# Altium PCB SmartHiveClient_min_V1.0.PcbDoc
Units mil, origin at the board's own origin, x right, y up, seen from the top; angles counter-clockwise.
Board outline 2755.91 x 1968.5 mil, 2 copper layers (Top Layer, Bottom Layer); 44 components, 26 nets, 134 pads, 70 vias.
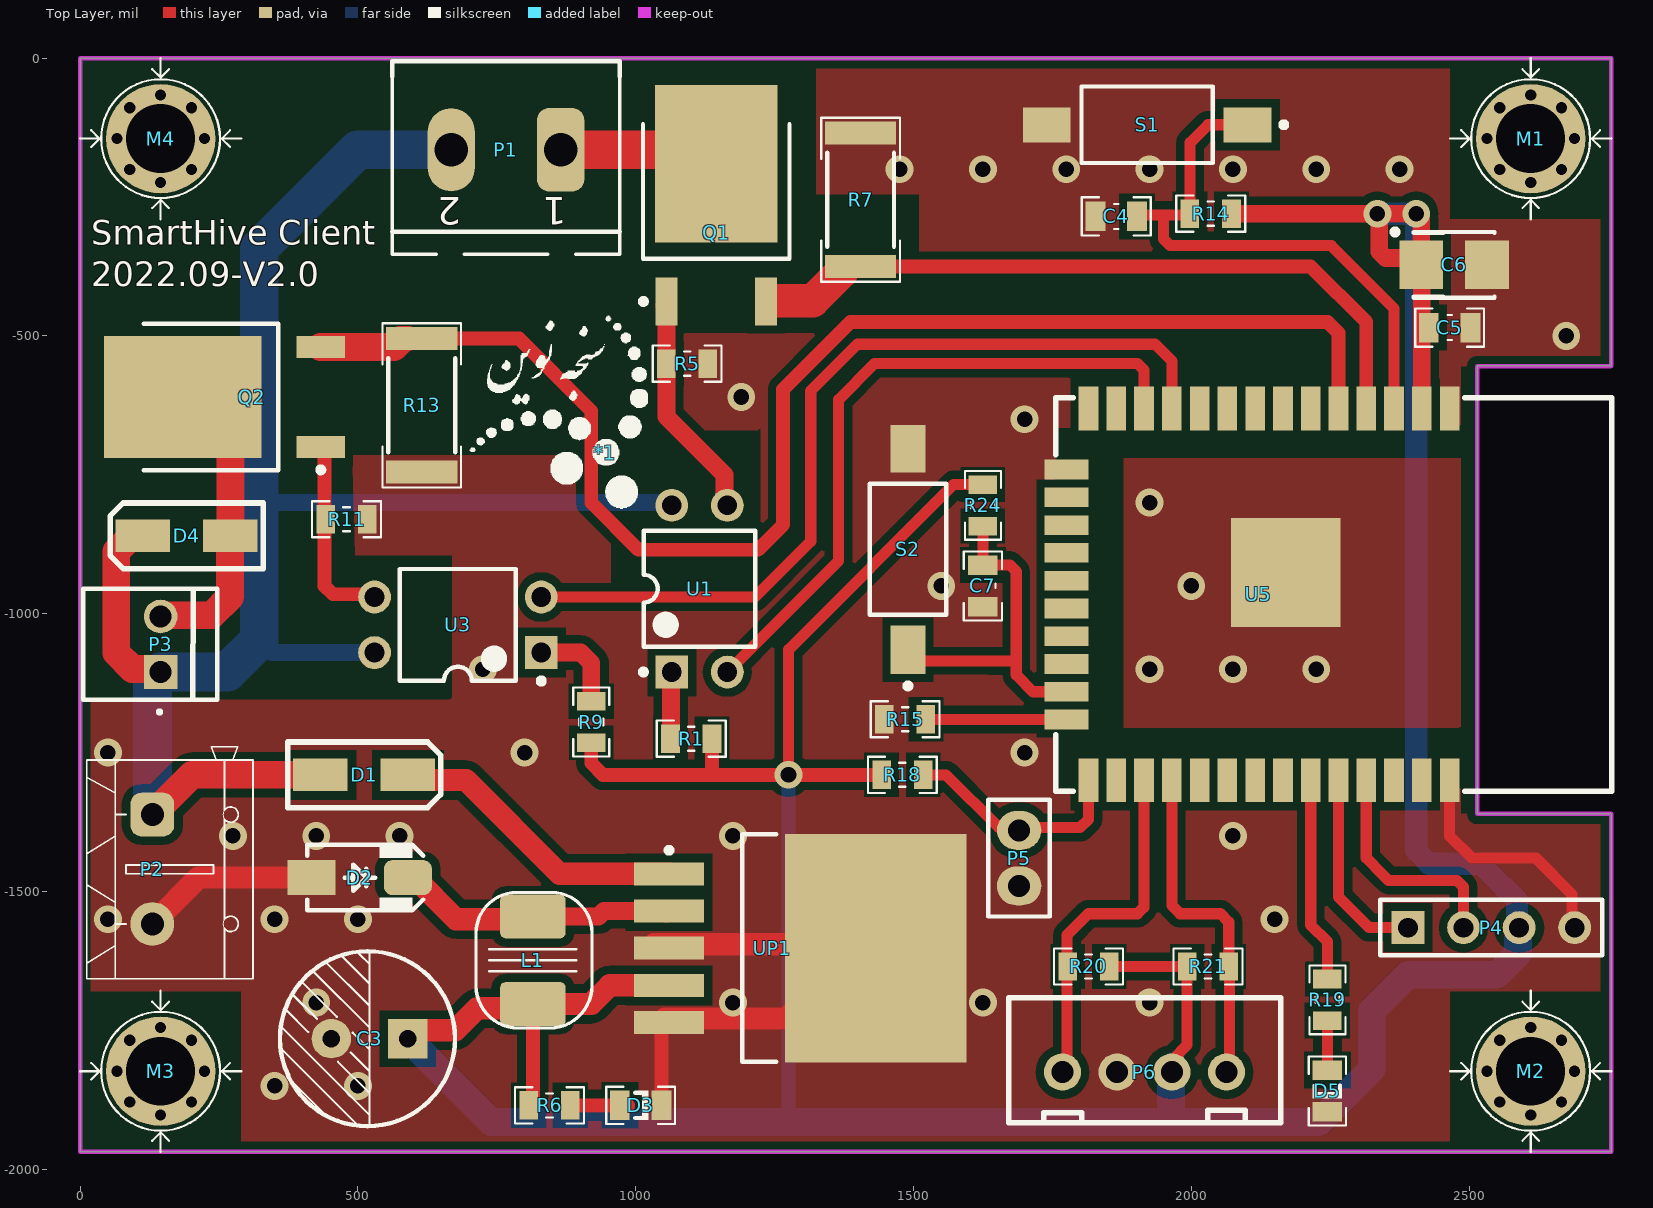
[diagram p0: Top Layer view]
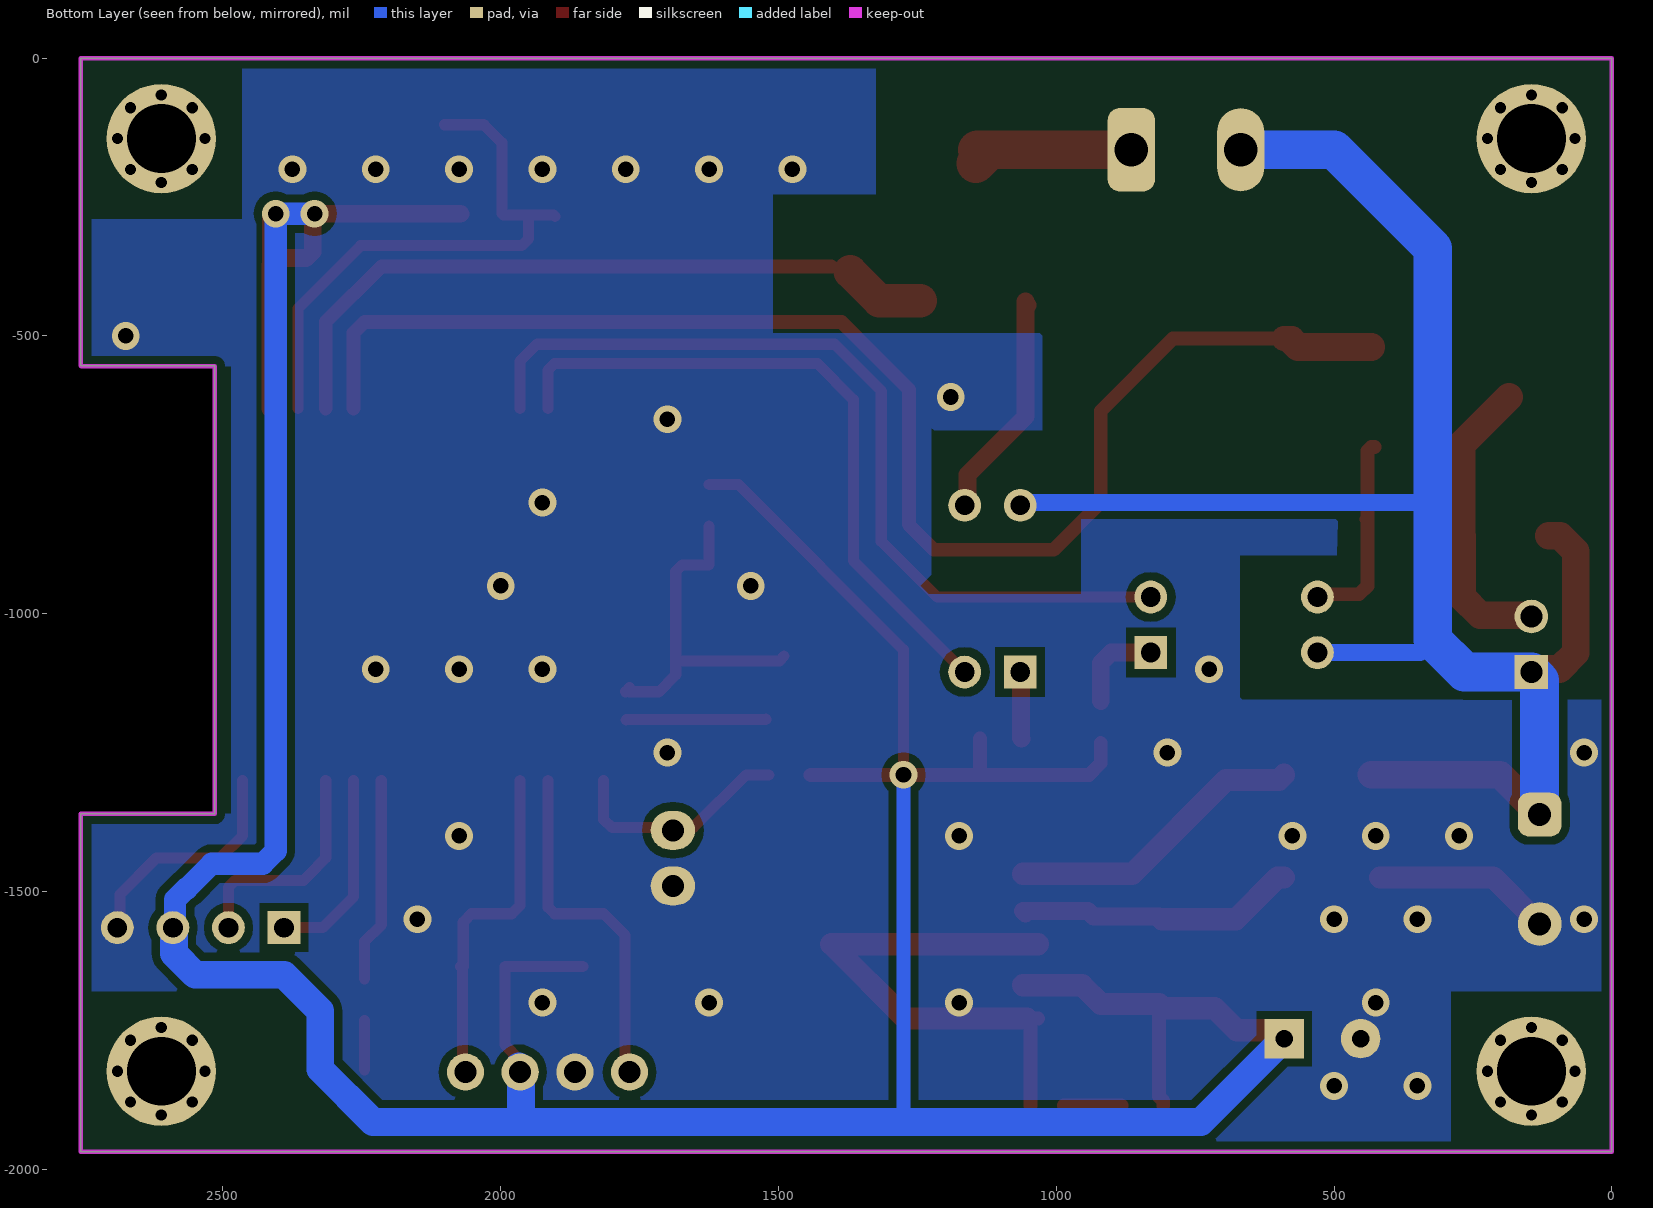
[diagram p1: Bottom Layer view, seen from below]
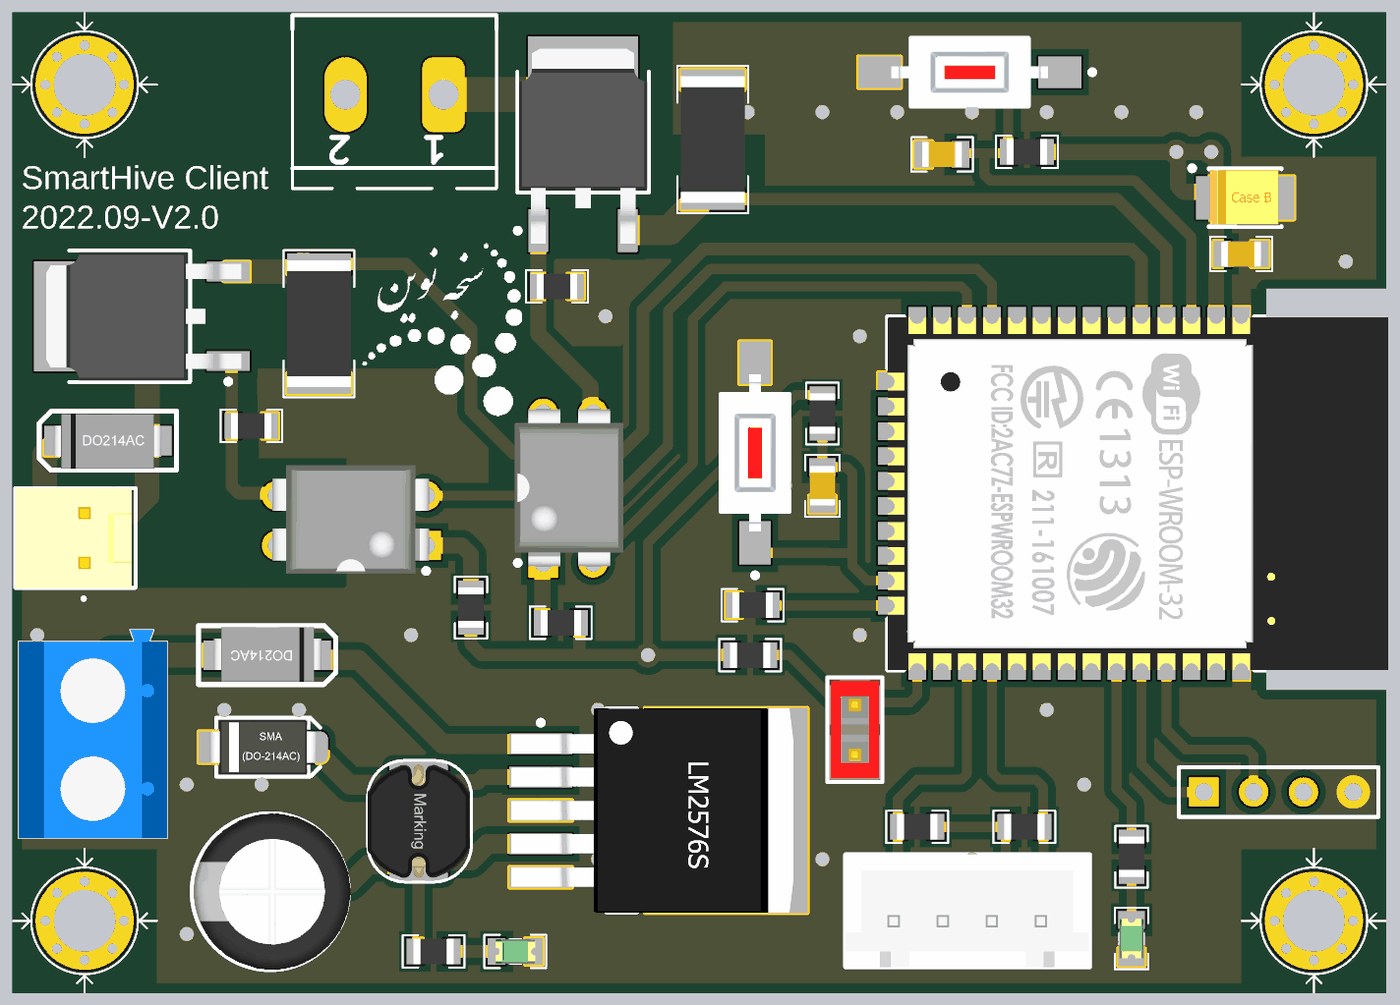
[diagram p2: 3D render of the assembled board from above, using the file's embedded part models]

## Layer stack, top to bottom
Top Solder: solder mask 0.4, Solder Resist, Dk 3.5
Top Layer: signal copper 1.4
Dielectric 1: dielectric 12.6, FR-4, Dk 4.8
Bottom Layer: signal copper 1.4
Bottom Solder: solder mask 0.4, Solder Resist, Dk 3.5

## Board outline
0,-1968.5 0,0 2755.91,0 2755.91,-554.09 2515,-554.09 2515,-1360 2755.91,-1360 2755.91,-1968.5

## Design rules (kind name [scope] priority, off if disabled: settings)
Clearance [All] p1: gap=15 ignorepadtopadclearanceinfootprint=TRUE
PolygonConnect [All] p1: connectstyle=Direct reliefconductorwidth=10 reliefentries=4 polygonreliefangle="90 Angle" airgapwidth=10
RoutingVias [All] p1: holewidth=28 width=50 viastyle="Through Hole" minholewidth=20 minwidth=20 maxholewidth=28 maxwidth=50
SolderMaskExpansion [All] p1: expansion=4 istentingtop=FALSE
Width [All] p1: maxlimit=100 minlimit=10 preferedwidth=15 minimp=50.000000 maximp=50.000000 favimp=50.000000
30 further rules are at their usual default settings.

## Components (designator, comment, footprint, x,y, rotation, side; value= is the part's Value field where it differs from the comment)
*1 "Logo" LOGO_PARS_TOP 945,-710 r0 top
C3 "16V" "Cap electrolitic radial 8x12-3.5" 521.1,-1765 r180 top value=470uF
C4 "100nF" CAP0805 1865,-285 r0 top
C5 "100nF" CAP0805 2465,-485 r180 top
C6 "Tantal/16V" CAP_TANTAL_TYPE_B 2475,-375 r180 top value=22uF
C7 "100nF" CAP0805 1625,-950 r90 top
D1 "Diode 1N4007" DO-241AC 508.02,-1289.82 r0 top
D2 "SM5822-SMD" 430X270D 503.39,-1475 r0 top
D3 "LED0" LED_0805 1010,-1885 r0 top
D4 "Diode 1N4007" DO-241AC 195,-860 r180 top
D5 "LED0" LED_0805 2245,-1860 r270 top
L1 "1.5A" "Inductor SMD 3x3.2mm" 815,-1623.74 r270 top value=220uH
M1 "Screw3mm" "Board Screw 3mm" 2610.91,-145 r0 top
M2 "Screw3mm" "Board Screw 3mm" 2610.91,-1823.5 r0 top
M3 "Screw3mm" "Board Screw 3mm" 145,-1823.5 r0 top
M4 "Screw3mm" "Board Screw 3mm" 145,-145 r0 top
P1 "Element" "MSTBV 2,5/2-G-5" 766.57,-165 r180 top
P2 "Header 2" "KF301 2PIN" 130,-1460 r270 top
P3 "FAN" DS1070-2-COMCON 145,-1055 r270 top
P4 "Header 4" HDR1X4 2390,-1565 r0 top
P5 "Header 2" "Jumper Small - 2.54 - Black" 1690,-1440 r270 top
P6 "SHT20_1" XH-4PIN 1915.79,-1825 r0 top
Q1 "IRLR024N" TO252-3M 1145,-264.8 r90 top
Q2 "IRLR024N" TO252-3M 260,-610 r180 top
R1 "220" RES0805 1100,-1225 r180 top
R5 "10K" RES0805 1092.64,-550 r180 top
R6 "220" RES0805 845,-1885 r180 top
R7 "0.1" RES2512 1405,-255 r270 top
R9 "220" RES0805 920,-1195 r90 top
R11 "10K" RES0805 479.56,-830 r180 top
R13 "0.1" RES2512 615,-625 r90 top
R14 "10K" RES0805 2035,-280 r0 top
R15 "10k" RES0805 1485,-1190 r0 top
R18 "10k" RES0805 1480,-1290 r180 top
R19 "220" RES0805 2245,-1695 r270 top
R20 "4.7K" RES0805 1815,-1635 r0 top
R21 "4.7K" RES0805 2030,-1635 r180 top
R24 "10K" RES0805 1625,-805 r90 top
S1 "SW-PB" SW-2PIN-SMD 1920,-120 r180 top
S2 "SW-PB" SW-2PIN-SMD 1490.02,-883.56 r90 top
U1 "PC817" DIP_4 1065,-1105 r90 top
U3 "PC817" DIP_4 830,-1070 r180 top
U5 "ESP32-WROOM-32" ESP32-WROOM-32D 2120.32,-965.35 r270 top
UP1 "LM2576S-3.3" TO263 1269.17,-1595 r0 top

## Footprints (in the part's own frame and the unit in brackets; to place one, negate y for a bottom-side part, rotate by r counter-clockwise, add the part's x,y. Pads: shape width x height; smd on the part's side, far side on the other; paste and mask are expansions set on the pad)
430X270D [mm] "SMA Molded Diode, 2-Leads, Body 4.3x2.7mm"
  rect 2.2x1.6 smd: 1(-2.2,0)
  rrect50% 2.2x1.6 smd: 2(2.2,0)
  silkscreen extent -2.4,-1.5 2.9,1.5, body extent -2.75,-1.4 2.75,1.4, height 2.6
"Board Screw 3mm" [mm]
  round 5 hole 3.15 mask+0.1: S(0,0)
  silkscreen extent -3.68,-3.68 3.68,3.68
CAP0805 [mm] "Chip Capacitor, 2-Leads, Body 2/00x1/25mm, IPC Medium Density DESIGNER:ABBAS BASEREH"
  rect 0.9x1.35 smd: 1(-0.95,0) 2(0.95,0)
  silkscreen extent -1.58,-0.87 1.58,0.87, body extent -1.02,-0.65 1.02,0.65, height 0.5
"Cap electrolitic radial 8x12-3.5" [mm] "Cap electrolitic radial 8x12-3.5-Design:Abbas Basereh"
  rect 1.8x1.8 hole 0.8: 1(-1.75,0)
  round 1.8 hole 0.8: 2(1.75,0)
  silkscreen extent -3.9,-4 4.1,4, body extent -4,-4 4,4, height 12.3
CAP_TANTAL_TYPE_B [mm]
  rect 2x2.2 smd: 1(1.551,-0.076) 2(-1.449,-0.076)
  silkscreen extent -1.8,-1.7 2.88,1.42, body extent -1.65,-1.5 1.85,1.3, height 1.9
DIP_4 [mm]
  rect 1.5x1.5 hole 0.9: 1(0,0)
  round 1.5 hole 0.9: 2(0,-2.54) 3(7.62,-2.54) 4(7.62,0)
  silkscreen extent -0.12,-3.82 6.46,1.42, body extent -0.16,-4.09 7.84,1.45, height 4.31
DO-241AC [mm]
  rect 2.5x1.5 smd: 1(-1.918,-0.005) 2(2.082,-0.005)
  silkscreen extent -3.42,-1.5 3.58,1.5, body extent -2.64,-1.37 2.84,1.42, height 2.39
DS1070-2-COMCON [mm]
  rect 1.54x1.54 hole 1: 1(1.27,0)
  round 1.54 hole 1: 2(-1.27,0)
  silkscreen extent -2.54,-3.53 3.13,2.59, body extent -2.54,-3.5 2.54,2.4, height 11.4
ESP32-WROOM-32D [mm]
  rect 2x0.9 smd: 1(-8.5,8.755) 2(-8.5,7.485) 3(-8.5,6.215) 4(-8.5,4.945) 5(-8.5,3.675) 6(-8.5,2.405) 7(-8.5,1.135) 8(-8.5,-0.135) 9(-8.5,-1.405) 10(-8.5,-2.675) 11(-8.5,-3.945) 12(-8.5,-5.215) 13(-8.5,-6.485) 14(-8.5,-7.755) 25(8.5,-7.755) 26(8.5,-6.485) 27(8.5,-5.215) 28(8.5,-3.945) 29(8.5,-2.675) 30(8.5,-1.405) 31(8.5,-0.135) 32(8.5,1.135) 33(8.5,2.405) 34(8.5,3.675) 35(8.5,4.945) 36(8.5,6.215) 37(8.5,7.485) 38(8.5,8.755)
  rect 0.9x2 smd: 15(-5.71,-8.755) 16(-4.44,-8.755) 17(-3.17,-8.755) 18(-1.9,-8.755) 19(-0.63,-8.755) 20(0.64,-8.755) 21(1.91,-8.755) 22(3.18,-8.755) 23(4.45,-8.755) 24(5.72,-8.755)
  rect 5x5 smd: 39(-1,1.255)
  silkscreen extent -9,-9.25 9,16.17, body extent -8.99,-9.25 9.01,16.25, height 2.91
HDR1X4 [mm] "Connector; Header; 4 Position"
  rect 1.5x1.5 hole 0.9: 1(0,0)
  round 1.5 hole 0.9: 2(2.54,0) 3(5.08,0) 4(7.62,0)
  silkscreen extent -1.27,-1.27 8.89,1.27
"Inductor SMD 3x3.2mm" [mm] "Inductor 4.7µH SMD 3x3.2mm"
  round 0.508 on Mech15: 0(0,0)
  rrect25% 2x3 smd: 1(-2,0) 2(2,0)
  silkscreen extent -3.1,-2.6 3.1,2.7, body extent -2.9,-2.6 2.89,2.6, height 4.5
"Jumper Small - 2.54 - Black" [mil] "Designer Abbas Basereh"
  oval 70x80 hole 40: 1(-50,0) 2(50,0)
  silkscreen extent -105,-55 105,55, body extent -100,-50 100,50, height 337
"KF301 2PIN" [mm] "Designer Abbas Basereh"
  rrect50% 2x2 hole 1.05: 1(-2.5,0)
  round 2 hole 1.05: 2(2.5,0)
  silkscreen extent -5.6,-3 5,4.6, body extent -5.6,-3 5,4.6, height 10
LED_0805 [mm]
  rect 0.9x1.35 smd: 1(-0.975,0) 2(0.925,0)
  silkscreen extent -1.6,-0.85 1.55,0.85, body extent -1.04,-0.62 0.98,0.63, height 1.1
LOGO_PARS_TOP [mil]
  silkscreen extent -244,-100 77,246
"MSTBV 2,5/2-G-5" [mil] "Header, Nominal current: 12 A Rated voltage (III/2): 320 V Number of positions: 2 Pitch: 5mm Color: green Contact surface: Tin Assembly: Soldering DESIGNER:ABBAS BASEREH"
  rrect50% 85x150 hole 60: 1(-98.43,0)
  oval 85x150 hole 60: 2(98.43,0)
  silkscreen extent -205,-159 205,188, body extent -197,-152 197,187, height 473
RES0805 [mm] "Chip Resistor, 2-Leads, Body 2/00x1/25mm, IPC Medium Density DESIGNER:ABBAS BASEREH"
  rect 0.85x1.3 smd: 1(-0.95,0) 2(0.95,0)
  silkscreen extent -1.58,-0.82 1.58,0.82, body extent -1.02,-0.65 1.02,0.65, height 0.5
RES2512 [mm] "Chip Resistor, 2-Leads, Body 6/40x3/20mm, IPC Medium Density DESIGNER:ABBAS BASEREH"
  rect 1.05x3.25 smd: 1(-3.05,0) 2(3.05,0)
  silkscreen extent -3.75,-1.8 3.75,1.8, body extent -3.22,-1.63 3.22,1.63, height 0.7
SW-2PIN-SMD [mm]
  rect 2.2x1.6 smd: 1(-4.609,0)
  rect 2.18x1.6 smd: 2(4.581,0)
  silkscreen extent -6.38,-1.75 2.99,1.75, body extent -4.01,-1.8 3.99,1.8, height 2.55
TO252-3M [mm] "D-PAK, 3-Pads, Body 6.2x6.7mm (max), IPC Low Density"
  rect 2.2x1 smd: 1(-4.4,2.28) 3(-4.4,-2.28)
  rect 7.2x5.6 smd: 4(1.9,0)
  silkscreen extent -4.52,-3.35 3.7,3.45, body extent -5.06,-3.27 4.88,3.27, height 2.39
TO263 [mm]
  rect 3.2x1.05 smd: 1(-5.314,3.222) 2(-5.314,1.522) 3(-5.314,-0.178) 4(-5.314,-1.878) 5(-5.314,-3.578)
  rect 8.3x10.45 smd: 6(4.136,-0.178)
  silkscreen extent -5.44,-5.38 -0.41,5.02, body extent -6.81,-5.38 7.56,5.03, height 4.65
XH-4PIN [mm]
  round 1.7 hole 1: 1(-3.75,0) 2(-1.25,0) 3(1.25,0) 4(3.75,0)
  silkscreen extent -6.2,-2.31 6.22,3.4, body extent -6.2,-2.34 6.2,3.41, height 7

## Part data
C3 C6: library part Cap2, "Capacitor", PackageDescription="Capacitor; 2 Leads", PackageReference=CAPR5-4X5, Published=23-Sep-2002, Publisher="Altium Limited"
C4 C5 C7: library part Cap, "Capacitor", LatestRevisionDate=17-Jul-2002, LatestRevisionNote="Re-released for DXP Platform.", PackageDescription="Radial Cap, Thru-Hole; 2 Leads; 0.3 in Pin Spacing", PackageReference=RAD-0.3, Published=8-Jun-2000, Publisher="Altium Limited"
D1 D4: "1 Amp General Purpose Rectifier", Code_JEDEC=DO-204-AL, ComponentLink1Description="Manufacturer Link", ComponentLink1URL=http://www.fairchildsemi.com/, ComponentLink2Description=Datasheet, ComponentLink2URL=http://www.fairchildsemi.com/ds/1N%2F1N4001.pdf, DatasheetVersion=1998, LatestRevisionDate=17-Jul-2002, LatestRevisionNote="Re-released for DXP Platform.", PackageDescription="Diode, Axial; Body 5.2 x 2.7 mm (LxDia. max), Lead Dia. 0.86 mm (max)", PackageReference=DO-41, PackageVersion=Aug-1999, Published=8-Jun-2000, Publisher="Altium Limited"
D2: library part "D Schottky", "Schottky Diode", Code_JEDEC=DO-214-AA, LatestRevisionDate=17-Jul-2002, LatestRevisionNote="Re-released for DXP Platform.", PackageDescription="DO-214-AA/SMB; 2 C-Bend Leads; Body 5.3 x 3.6 mm, inc. leads (LxW)", PackageReference=SMB, Parameter 1=1n5822, Published=8-Jun-2000, Publisher="Altium Limited"
D3 D5: "Typical INFRARED GaAs LED", LatestRevisionDate=08-Jul-2005, LatestRevisionNote="Mech Layer 1 removed.", PackageDescription="LED; 2 Leads", PackageReference=LED-0, Published=8-Jun-2000, Publisher="Altium Limited"
L1: library part Inductor, "Inductor", Code_IEC=1005, Code_JEITA=0402, LatestRevisionDate=29-May-2009, LatestRevisionNote="IPC-7351 Footprint Added.", PackageDescription="Chip Inductor", PackageReference=0402-A, Published=8-Jun-2000, Publisher="Altium Limited"
M1 M2 M3 M4: library part "Board Screw 3mm", "Board Screw With Spacer 3mm", Data=16-12-2016, Designer="Abbas Basereh"
P1 P3: library part "Header 2", "Header, 2-Pin", LatestRevisionDate=17-Jul-2002, LatestRevisionNote="Re-released for DXP Platform.", Publisher="Altium Limited"
P2 P5: "Header, 2-Pin", LatestRevisionDate=17-Jul-2002, LatestRevisionNote="Re-released for DXP Platform.", Publisher="Altium Limited"
P4: "Header, 4-Pin", LatestRevisionDate=17-Jul-2002, LatestRevisionNote="Re-released for DXP Platform.", Publisher="Altium Limited"
P6: library part "Header 4", "Header, 4-Pin", LatestRevisionDate=17-Jul-2002, LatestRevisionNote="Re-released for DXP Platform.", Publisher="Altium Limited"
Q1 Q2: "HEXFET Power MOSFET", Code_JEDEC=TO-252-AA, ComponentLink1Description="Manufacturer Link", ComponentLink1URL=http://www.irf.com/, ComponentLink2Description=Datasheet, ComponentLink2URL=http://www.irf.com/product-info/datasheets/data/irlr024n.pdf, LatestRevisionDate=20-Nov-2009, LatestRevisionNote="IPC-7351 Footprint Added.", Note="Pin 2 is trimmed and is electrically connected to Drain.", PackageDescription="3-Pin HEXFET Package 2.28 mm Pitch, 9.9 mm Lead Span", PackageReference=TO-252AA, PackageVersion=Feb-2003, Published=8-Jun-2000, Publisher="Altium Limited"
R1 R5 R6 R9 R11 R14 R15 R18 R19 R20 R21 R24: library part Res1, "Resistor", LatestRevisionDate=17-Jul-2002, LatestRevisionNote="Re-released for DXP Platform.", PackageDescription="Axial Device, Thru-Hole; 2 Leads; 0.3 in Pin Spacing", PackageReference=AXIAL-0.3, Published=8-Jun-2000, Publisher="Altium Limited"
R7 R13: library part Res1, "Size:2512,1%", LatestRevisionDate=17-Jul-2002, LatestRevisionNote="Re-released for DXP Platform.", PackageDescription="Axial Device, Thru-Hole; 2 Leads; 0.3 in Pin Spacing", PackageReference=AXIAL-0.3, Published=8-Jun-2000, Publisher="Altium Limited"
S1 S2: "Switch", LatestRevisionDate=17-Jul-2002, LatestRevisionNote="Re-released for DXP Platform.", PackageDescription="Switch; 2 Leads", PackageReference=SPST-2, Published=24-Mar-1999, Publisher="Altium Limited"
U1 U3: library part Optoisolator1, "4-Pin Phototransistor Optocoupler", DatasheetVersion=Nov-2003, LatestRevisionDate=04-Mar-2005, LatestRevisionNote="Sch pins 3 & 4 Swapped.", PackageReference=DIP-4, Published=24-Mar-1999, Publisher="Altium Limited"
U5: "ESP32  a single chip 2.4 GHz Wi-Fi and Bluetooth combo chip"
UP1: "SIMPLE SWITCHER® 3A Step-Down Voltage Regulator, 5-pin TO-263", Manufacturer="National Semiconductor", PackageTopMarking="NSUZXYTTE#*LM2576S*-3.3 P+", PowerWise=N, Code_JEDEC=MO-169-AB, ComponentLink1Description="LM2576 Datasheet", ComponentLink1URL=http://www.national.com/ds/LM/LM2576.pdf, ComponentLink2Description="LM2576 Web Page", ComponentLink2URL=http://www.national.com/pf/LM/LM2576.html, ComponentLink3Description="TS5B Package Page", ComponentLink3URL=http://www.national.com/packaging/folders/ts5b.html, CompType=Switcher, DatasheetVersion=Aug-2004, PackageDescription="TO-263, Molded, .400 x .390 x .180in, 5 Lead, .067in Pitch, Surface Mount", PackageReference=TS5B, PackageVersion="revD, Apr-2005", PartNumber=LM2576S-3.3, PinCount=5, Published=4-Dec-2008, Publisher="Altium Limited", RoHS=N

## Via types
v1: diameter 50, hole 28, Top Layer to Bottom Layer, tented both sides, 38 vias
v2: diameter 20, hole 20, Top Layer to Bottom Layer, tented both sides, 32 vias

## Nets (pads, with @x,y where several pads share a name; then routed paths per layer and width w, separated by ;. In a path a pad name is that pad's centre, name@x,y a point inside that pad or via, vN(x,y) a via of type N, cw(c..) or ccw(c..) an arc to the next point about the centre after c; other vN are vias at no path point)
+3.3V: C3.1 C5.2 C6.1 L1.2 P4.3 P6.3 R1.1 R6.2 R9.1 R14.2 R18.2 R20.2 R21.2 R24.2 U5.2 UP1.4 | length 7711.5
  Top Layer w20: v1(1275,-1290) 1275,-1065 1572.4,-767.6 R24.2 ; R20.2 R21.2 1992.6,-1776.55 1966.85,-1802.3 P6.3@1966.85,-1815
  Top Layer w25: R6.2 807.6,-1876.14 815,-1868.74 L1.2 ; R9.1 920,-1268.7 941.3,-1290 1135,-1290 ; R1.1 1137.4,-1287.6 1135,-1290 ; R18.2 v1(1275,-1290) 1135,-1290
  Top Layer w32: UP1.4@1055.54,-1673.35 UP1.4 ; R14.2 v1(2335,-280) ; U5.2 2415,-373.06 C6.1 ; v1(2335,-280) 2338.44,-283.44 2338.44,-348.44 2350,-360 2401.94,-360 C6.1 ; v1(2335,-280) v1(2405,-280) 2413.94,-288.94 C6.1
  Top Layer w40: C3.1 605.43,-1749.57 675.43,-1749.57 715,-1710 807.48,-1710 L1.2 919.83,-1702.48 953.38,-1668.93 UP1.4
  Bottom Layer w25: v1(1275,-1290) 1275,-1910 1280,-1915
  Bottom Layer w40: v1(2335,-280) v1(2405,-280) 2405,-1426.57 2428.43,-1450 2520,-1450 2565,-1495 2566.57,-1495 2586.35,-1514.79 2586.35,-1561.35 P4.3
  Bottom Layer w50: C3.1 740,-1915 1280,-1915 1963.61,-1915 2230,-1915 2325,-1820 2325,-1715 2390,-1650 2550,-1650 2588.27,-1611.73 2588.27,-1566.73 P4.3 ; 1963.61,-1910 1963.61,-1818.24 P6.3@1966.85,-1815
+12V: D1.1 D4.2 P1.2 P2.1 P3.1 U1.4 U3.4 | length 3218.2
  Top Layer w50: D4.2 93.33,-859.82 65,-888.15 65,-1070.4 94.29,-1099.68 139.68,-1099.68 P3.1 ; P2.1 201.57,-1290 D1.1
  Bottom Layer w30: 322.5,-1047.5 345,-1070 U3.4 ; 322.5,-800 1060,-800 U1.4
  Bottom Layer w70: P2.1 130,-1120 P3.1 265,-1105 322.5,-1047.5 322.5,-800 322.5,-342.5 500,-165 P1.2
ESP32_EN: C4.2 R14.1 S1.1 U5.3 | length 1032.2
  Top Layer w20: C4.2 1904.9,-282.5 1950,-282.5 ; S1.1 2029.98,-120.02 1997.6,-152.4 R14.1 1995.1,-282.5 1950,-282.5 ; U5.3 2365,-450.58 2251.92,-337.5 1961.72,-337.5 1950,-325.78 1950,-282.5
ESP32_GPIO0: P5.1 R18.1 U5.25 | length 413.2
  Top Layer w20: R18.1 1558.54,-1290 1653.54,-1385 1800,-1385 1815,-1370 U5.25
ESP32_GPIO15_KEYDOWN: C7.2 R24.1 S2.1 U5.23 | length 626
  Top Layer w20: S2.1@1489.98,-1076.44 1498.39,-1084.84 1635,-1084.84 1635.35,-1085.2 1685,-1085.2 ; R24.1 C7.2 1673.28,-912.6 1685,-924.31 1685,-1085.2 ; U5.23@1768.35,-1140.55 1715,-1140.55 1685,-1110.55 1685,-1085.2 ; U5.23@1768.35,-1133.27 U5.23
ESP32_GPIO16_SDA1: P6.1 R20.1 U5.27 | length 626.8
  Top Layer w20: P6.1@1770,-1815 1776.3,-1808.7 1776.3,-1635 1776.3,-1578.7 1815,-1540 1903.28,-1540 1915,-1528.28 U5.27
ESP32_GPIO17_SCL1: P6.4 R21.1 U5.28 | length 602.8
  Top Layer w20: U5.28 1965,-1525 1980,-1540 2052.4,-1540 2067.4,-1555 R21.1 ; P6.4@2065.28,-1815 2068.84,-1811.44 2068.84,-1638.56 R21.1@2072.4,-1635
ESP32_GPIO21_LED0: R19.1 U5.33 | length 370
  Top Layer w20: U5.33 2215,-1560 2245,-1590 R19.1
ESP32_GPIO26_FAN: U3.2 U5.11 | length 1580.1
  Top Layer w20: U3.2 1215,-970 1315,-870 1315,-599.43 1399.43,-515 1935,-515 1965,-545 U5.11
ESP32_GPIO27_THERMAL: U1.2 U5.12 | length 1223.6
  Top Layer w20: U1.2 1365,-905 1365,-615 1430,-550 1903.28,-550 1915,-561.72 U5.12
ESP32_GPIO36_THERMALFEEDBACK: Q1.3 R7.2 U5.4 | length 1254.9
  Top Layer w25: R7.2 1405.08,-375 2215,-375 2315,-475 2315,-510 U5.4
  Top Layer w60: Q1.3@1245.08,-436.92 1318.51,-436.92 R7.2@1371.02,-384.41
ESP32_GPIO39_FANFEEDBACK: Q2.3 R13.2 U5.5 | length 2546.8
  Top Layer w25: R13.2@590,-504.92 R13.2 789.92,-504.92 920,-635 920,-800 1005,-885 1220,-885 1265,-840 1265,-596.4 1386.32,-475.08 2245,-475.08 2265,-495.08 2265,-535.04 U5.5
  Top Layer w45: R13.2@576.02,-504.92 R13.2@590,-504.92
  Top Layer w50: Q2.3 565.04,-520.24 R13.2@576.02,-509.25
ESP32_RXD0: P4.1 U5.34 | length 357.8
  Top Layer w20: U5.34 2265,-1510 2320,-1565 P4.1
ESP32_TXD0: P4.2 U5.35 | length 409.7
  Top Layer w20: U5.35 2315,-1440 2345.03,-1470.03 2355,-1480 2478.28,-1480 2490,-1491.72 P4.2
GND: C3.2 C4.1 C5.1 C6.2 C7.1 D2.1 D3.2 D5.2 P2.2 P4.4 P5.2 P6.2 R5.1 R7.1 R11.1 R13.1 R15.1 S1.2 S2.2 U5.1 U5.15 U5.38 U5.39 UP1.3 UP1.5 UP1.6 | length 1706
  Top Layer w20: U5.38 2465,-1400 2505,-1440 2620,-1440 2685.47,-1505.47 2685.47,-1560.47 P4.4
  Top Layer w25: UP1.5@1032.95,-1728.86 UP1.5@1038.23,-1728.86 ; D3.2 1046.4,-1737.03 UP1.5@1038.23,-1728.86 ; UP1.5@1053.23,-1728.86 UP1.5@1038.23,-1728.86
  Top Layer w40: P2.2 213.43,-1475 D2.1 ; UP1.3@1032.95,-1595 1405,-1595 1271.14,-1728.86 UP1.5@1053.23,-1728.86
  other v1: 350,-1850 500,-1850 425,-1700 1175,-1700 1625,-1700 1925,-1700 50,-1550 350,-1550 500,-1550 2150,-1550 275,-1400 425,-1400 575,-1400 1175,-1400 2075,-1400 50,-1250 800,-1250 1700,-1250 725,-1100 1925,-1100 2075,-1100 2225,-1100 1550,-950 2000,-950 1925,-800 1700,-650 1190,-610 2675,-500 1475,-200 1625,-200 1775,-200 1925,-200 2075,-200 2225,-200 2375,-200
NetD1_2: D1.2 UP1.1 | length 543.7
  Top Layer w40: D1.2 599.53,-1299.53 694.53,-1299.53 863.14,-1468.14 UP1.1
NetD2_2: D2.2 L1.1 UP1.2 | length 513.8
  Top Layer w32: L1.1@810,-1550 L1.1 932.88,-1545 942.81,-1535.07 UP1.2 UP1.2@1055.28,-1539.74
  Top Layer w40: D2.2 601.81,-1475 676.81,-1550 L1.1@810,-1550
NetD3_1: D3.1 R6.1 | length 104.2
  Top Layer w25: R6.1 D3.1@986.6,-1885
NetD4_1: D4.1 P3.2 Q2.4 | length 535.1
  Top Layer w50: P3.2 147.03,-1002.97 237.03,-1002.97 270,-970 270,-860.31 D4.1 270.5,-695.24 185.26,-610 Q2.4
NetD5_1: D5.1 R19.2 | length 89.2
  Top Layer w20: D5.1 R19.2
NetP1_1: P1.1 Q1.4 | length 566.9
  Top Layer w70: Q1.4@1141.57,-165 P1.1 1120,-165 Q1.4
NetQ1_1: Q1.1 R5.2 U1.3 | length 417.6
  Top Layer w32: Q1.1@1051.55,-445 Q1.1@1055.24,-441.31 ; Q1.1 Q1.1@1055.24,-441.31 ; U1.3 1159.82,-799.82 1159.82,-749.82 1055.24,-645.24 R5.2 Q1.1@1055.24,-441.31
NetQ2_1: Q2.1 R11.2 U3.3 | length 359.3
  Top Layer w25: Q2.1@427.19,-699.76 432.81,-699.76 440,-706.95 R11.2@440,-828.47 ; R11.2@441.53,-830 R11.2@440,-828.47 ; U3.3 525,-965 455,-965 440,-950 R11.2@440,-828.47
NetR1_2: R1.2 U1.1 | length 121
  Top Layer w32: R1.2 1063.33,-1224.27 1063.33,-1106.67 U1.1
NetR9_2: R9.2 U3.1 | length 166.6
  Top Layer w32: U3.1 901.25,-1070 920,-1088.75 R9.2
NetR15_2: R15.2 U5.24 | length 252.9
  Top Layer w20: R15.2 1522.68,-1190.28 1773.31,-1190.28 U5.24@1774.61,-1191.57
pads on no net: L1.0 M1.S M2.S M3.S M4.S U5.6 U5.7 U5.8 U5.9 U5.10 U5.13 U5.14 U5.16 U5.17 U5.18 U5.19 U5.20 U5.21 U5.22 U5.26 U5.29 U5.30 U5.31 U5.32 U5.36 U5.37
copper on no net:
  other v2: 145,-1902.24 2610.91,-1902.24 89.32,-1879.18 200.68,-1879.18 2555.23,-1879.18 2666.58,-1879.18 66.26,-1823.5 223.74,-1823.5 2532.17,-1823.5 2689.65,-1823.5 89.32,-1767.83 200.68,-1767.83 2555.23,-1767.83 2666.58,-1767.83 145,-1744.76 2610.91,-1744.76 145,-223.74 2610.91,-223.74 89.32,-200.68 200.68,-200.68 2555.23,-200.68 2666.58,-200.68 66.26,-145 223.74,-145 2532.17,-145 2689.65,-145 89.32,-89.32 200.68,-89.32 2555.23,-89.32 2666.58,-89.32 145,-66.26 2610.91,-66.26

## Polygon pours and split planes (outlines as drawn)
GND on Top Layer "GND_L01_P000" (solid, remove dead copper, pour order 0): 2465,0 2465,-290 2750,-290 2755,-285 2755.91,-285.91 2755.91,-554.09 2515.91,-554.09 2515,-555 2485,-555 2485,-1360 2755.91,-1360 2755.91,-1679.09 2755,-1680 2465,-1680 2465,-1970 295,-1970 290,-1965 290,-1680 -5,-1680 0,-1675 0,-1155 665,-1155 670,-1150 670,-895 495,-895 490,-715 880,-715 955,-790 955,-965 1230,-965 1245,-950 1225,-930 1225,-665 1220,-670 1025,-670 1025,-500 1030,-495 1510,-495 1510,-245 1325,-245 1325,-5 1320,0
GND on Bottom Layer "GND_L02_P001" (solid, remove dead copper, pour order 1): 2465,0 2465,-290 2750,-290 2755,-285 2755.91,-285.91 2755.91,-554.09 2515.91,-554.09 2515,-555 2485,-555 2485,-1360 2755.91,-1360 2755.91,-1679.09 2755,-1680 2465,-1680 2465,-1970 295,-1970 290,-1965 290,-1680 -5,-1680 0,-1675 0,-1155 665,-1155 670,-1150 670,-895 495,-895 490,-715 880,-715 955,-790 955,-965 1230,-965 1245,-950 1225,-930 1225,-665 1220,-670 1025,-670 1025,-500 1030,-495 1510,-495 1510,-245 1325,-245 1325,-5 1320,0

## Keep-outs
Keep-Out Layer:
  lines w8: 2755,-555 2515,-555 2515,-1360 2755.91,-1360 2755.91,-1968.5 0,-1968.5 0,0 2755.91,0 2755.91,-554.09

## Other copper
Top Layer:
  pour cut-out: 2485,-660 2480,-665 1755,-665 1755,-1315 1760,-1320 1765,-1315 2485,-1315 2485,-1210 2480,-1205 1878.54,-1205 1878.54,-720 2485,-720

## Silkscreen, mask and mechanical layers (free items; w line width, h text height)
Top Overlay:
  text "SmartHive Client / 2022.09-V2.0" at 20,-425 h75

## Dimensions
0,-1968.5 to -0.67,0.67 on Mechanical 15
-0.67,-1969.17 to 2756.57,-1969.17 on Mechanical 15

## Text inside footprints (layer, text, board x,y; h text height)
P1: Top Overlay "1" at 875.71,-250.24 h50 r180; Top Overlay "2" at 685.71,-250.24 h50 r180